# Altium PCB roach2.PcbDoc (part 30 of 39) (continued)
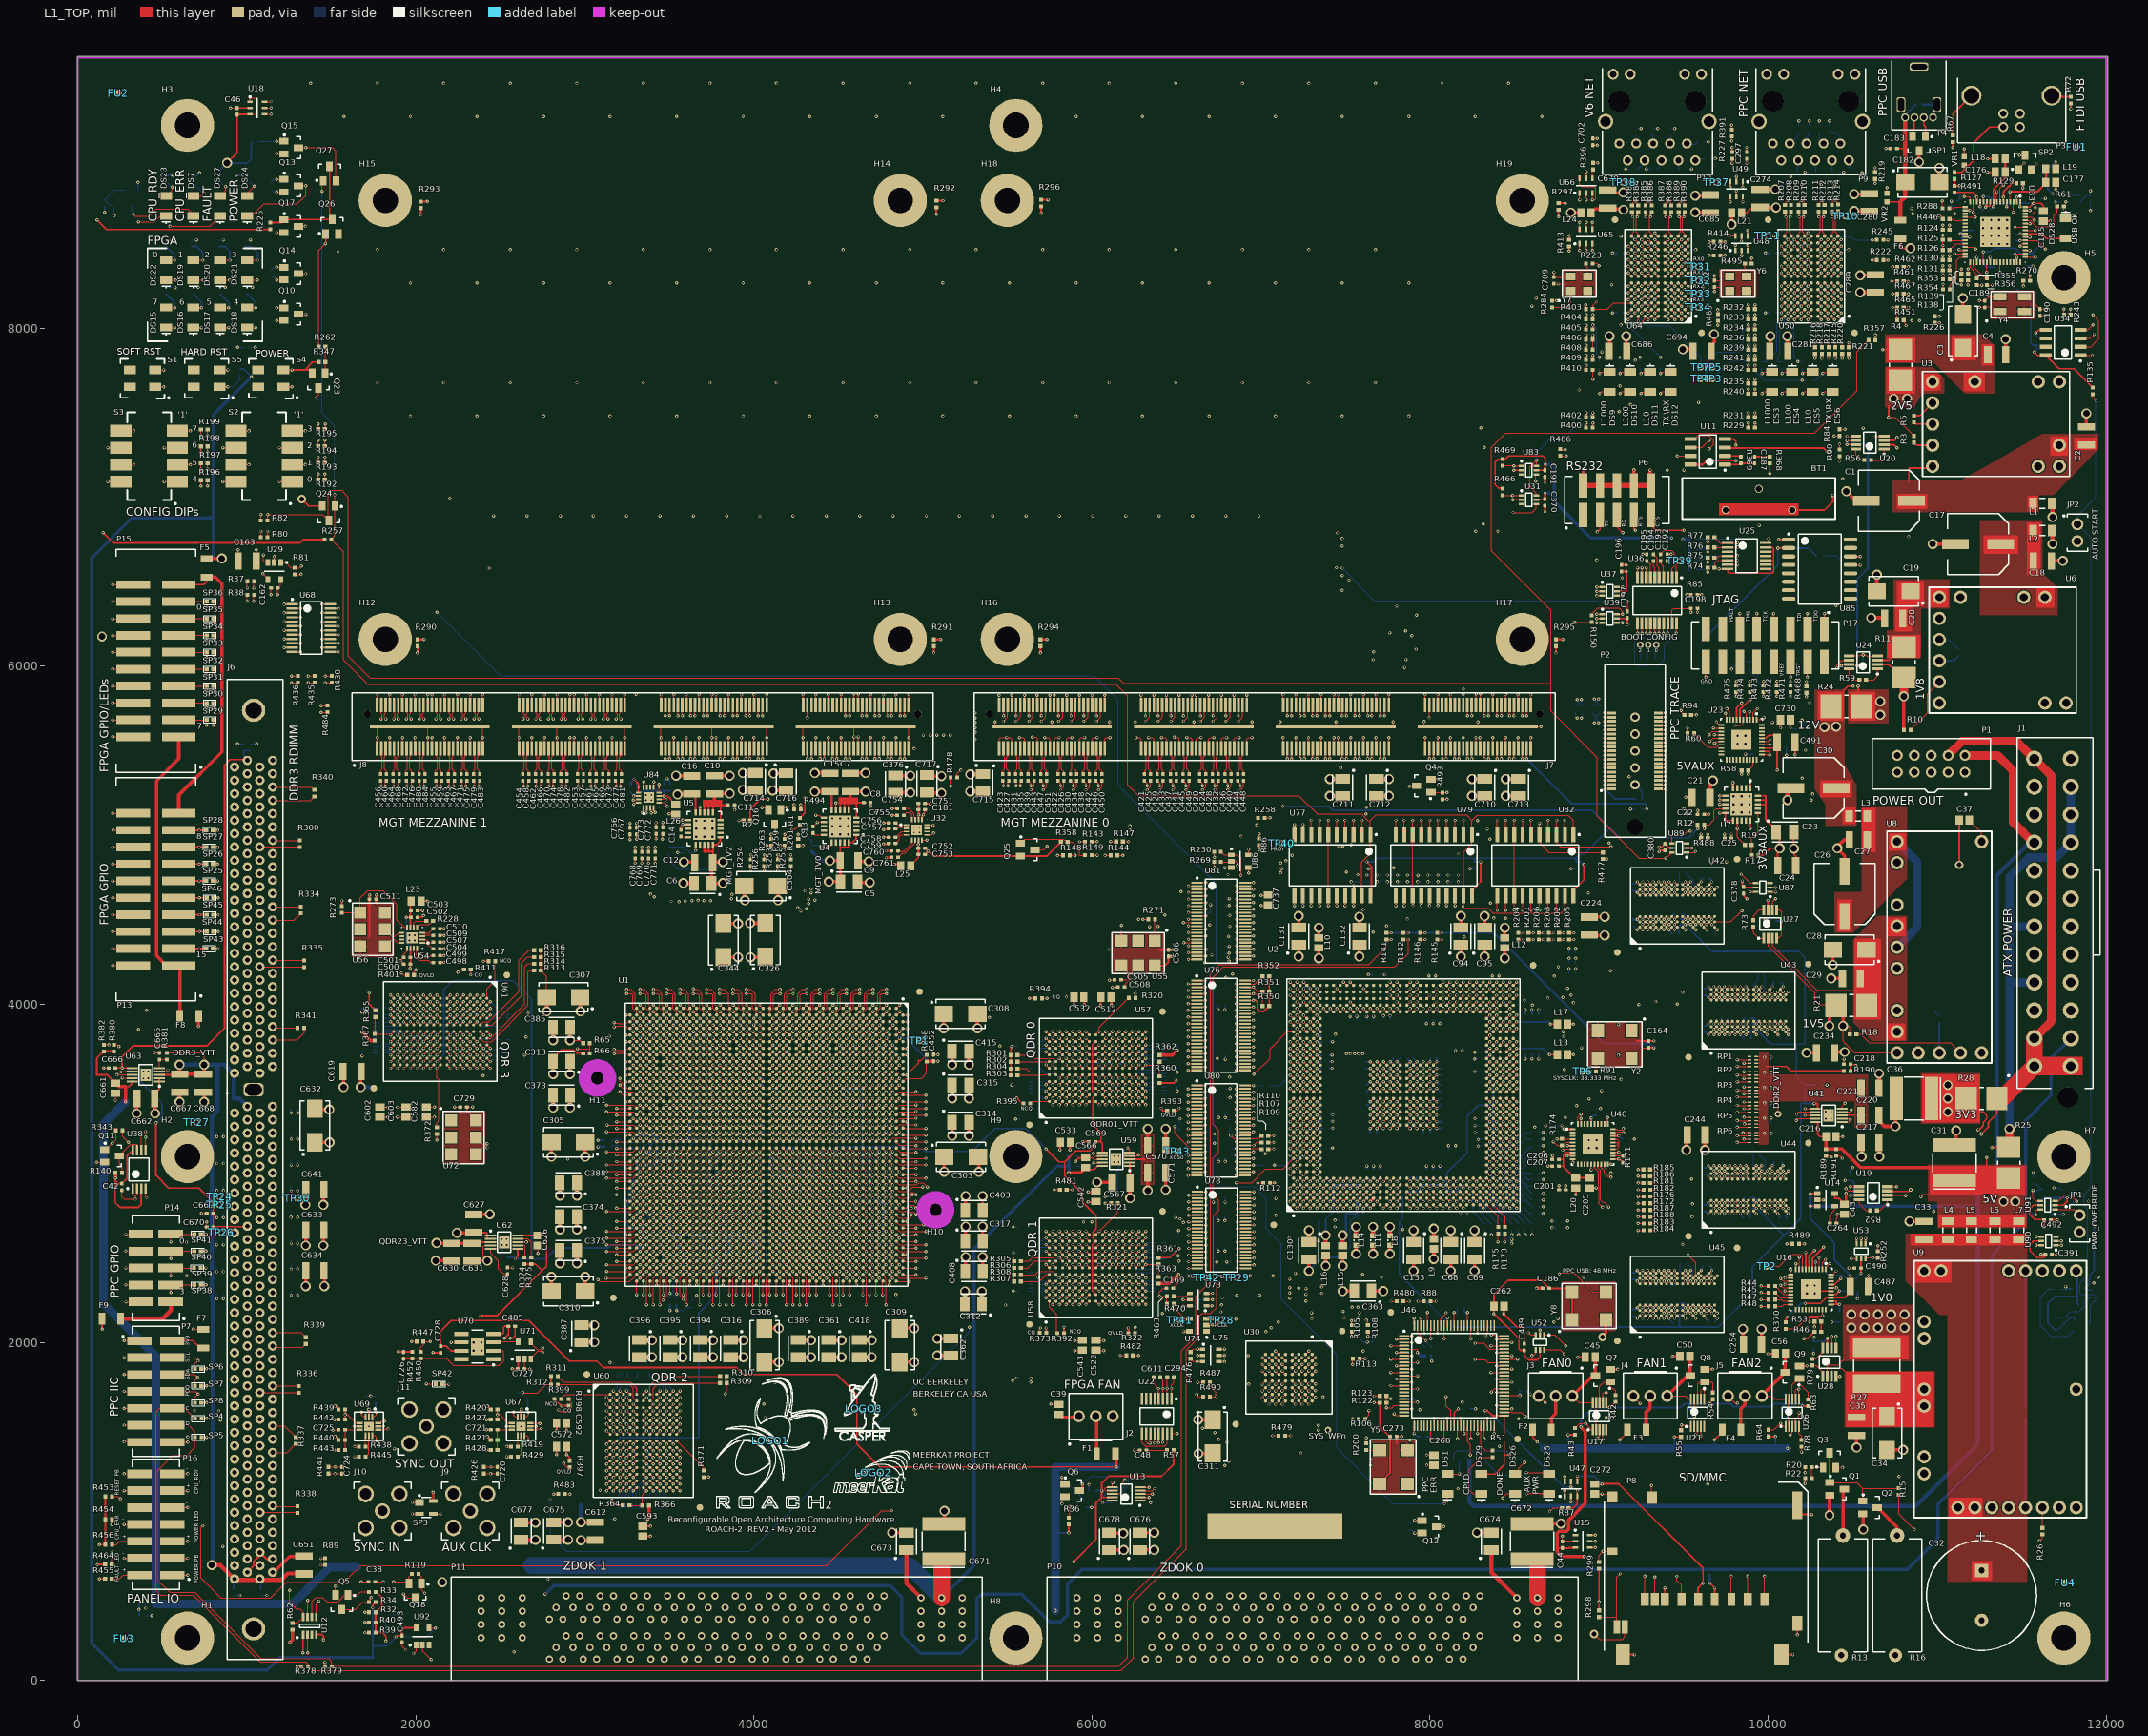
[diagram p0: L1_TOP view]
## Nets (pads, with @x,y where several pads share a name; then routed paths per layer and width w, separated by ;. In a path a pad name is that pad's centre, name@x,y a point inside that pad or via, vN(x,y) a via of type N, cw(c..) or ccw(c..) an arc to the next point about the centre after c; other vN are vias at no path point) (continued)
QDR2.Q23: U1.AV23 U60.K3 | length 2016.8
  L1_TOP w5: v1(3208.66,1318.9) U60.K3@3228.35,1338.58 ; v1(3404.61,3089.01) U1.AV23@3424.3,3108.7
  L8_R w3.8: v1(3208.66,1318.9) 3184.89,1342.67 3184.89,1364.73 3167.58,1382.04 3162.83,1382.04 3145.52,1399.34 3145.52,1404.1 3136.38,1413.24 3114.32,1413.24 3094.99,1432.56 3094.99,1791.69 3277.99,1974.69 3277.99,2139.99 3311.99,2173.99 3311.99,2261.99 3321.99,2271.99 3321.99,2306.99 3389.01,2374.01 3389.01,3073.41 v1(3404.61,3089.01)
QDR2.Q24: U1.AU22 U60.L2 | length 2187.2
  L1_TOP w5: v1(3169.29,1279.53) U60.L2@3188.98,1299.21 ; v1(3443.98,3128.38) U1.AU22@3463.67,3148.07
  L8_R w3.8: v1(3169.29,1279.53) 3161.12,1279.53 3145.52,1295.13 3115.86,1295.13 3038.99,1371.99 3038.99,1821.99 3215.99,1998.99 3215.99,2261.99 3227.53,2273.53 3227.53,2973.37 3319.41,3065.24 3324.16,3065.24 3349.64,3090.72 3349.64,3095.48 3358.78,3104.61 3420.21,3104.61 v1(3443.98,3128.38)
QDR2.Q25: U1.BB24 U60.N3 | length 2173
  L1_TOP w5: v2(3188.08,3069.33) U1.BB24@3266.82,3069.33 ; v1(3208.66,1200.79) U60.N3@3228.35,1220.47
  L8_R w3.8: v2(3188.08,3069.33) 3188.08,3034.08 3166.99,3012.99 3166.99,2007.99 3002.99,1843.99 3002.99,1361.99 3114.32,1250.66 3114.32,1233.69 3127.02,1220.99 3188.45,1220.99 v1(3208.66,1200.79)
QDR2.Q26: U1.BA39 U60.P3 | length 1764.7
  L1_TOP w5: v2(3129.02,2459.09) 3286.5,2459.09 U1.BA39@3306.19,2478.78 ; v1(3208.66,1161.42) U60.P3@3228.35,1181.1
  L8_R w3.8: v2(3129.02,2459.09) 3144.62,2443.49 3144.62,2026.99 2975.99,1858.36 2975.99,1350.99 3080.99,1245.99 3080.99,1177.99 3116.99,1141.99 3189.24,1141.99 v1(3208.66,1161.42)
QDR2.Q27: U1.AU37 U60.B1 | length 1063.3
  L1_TOP w5: v1(3129.92,1673.23) U60.B1@3149.61,1653.54 ; v1(3443.98,2537.83) U1.AU37@3463.67,2557.52
  L8_R w3.8: v1(3129.92,1673.23) 3129.92,1798.92 3315.99,1984.99 3315.99,2122.99 3332.99,2139.99 3332.99,2223.72 3369.33,2260.05 3369.33,2304.08 3459.58,2394.33 3459.58,2504.92 3443.98,2520.52 v1(3443.98,2537.83)
QDR2.Q28: U1.AN21 U60.C2 | length 1888.9
  L1_TOP w5: v1(3169.29,1633.86) U60.C2@3188.98,1614.17 ; v1(3601.46,3207.13) U1.AN21@3621.15,3187.44
  L8_R w3.8: v1(3169.29,1633.86) 3169.29,1651.17 3192.69,1674.57 3192.69,1726.69 3205.99,1739.99 3205.99,1763.99 3312,1870 3416,1870 3442.99,1896.99 3442.99,2146.99 3459.99,2163.99 3459.99,2222.99 3459.58,2223.4 3459.58,2229.34 3446.99,2241.93 3446.99,2301.99 3499.32,2354.32 3499.32,2390.04 3513.03,2403.75 3528.81,2403.75 3538.69,2413.63 3538.69,3144.36 v1(3601.46,3207.13)
QDR2.Q29: U1.AT36 U60.E1 | length 1228.1
  L1_TOP w5: v1(3129.92,1555.12) U60.E1@3149.61,1535.43 ; v1(3483.35,2577.2) U1.AT36@3503.04,2596.89
  L8_R w3.8: v1(3129.92,1555.12) 3129.92,1572.43 3145.52,1588.03 3145.52,1793.52 3334.99,1982.99 3334.99,2108.99 3345.99,2119.99 3345.99,2225.69 3358.78,2238.47 3365.47,2238.47 3413.19,2286.19 3413.19,2303.22 3449.93,2339.96 3449.93,2349.05 3467.75,2366.88 3467.75,2544.3 3483.35,2559.9 v1(3483.35,2577.2)
QDR2.Q30: U1.AV39 U60.F1 | length 1147
  L1_TOP w5: v1(3129.92,1515.75) U60.F1@3149.61,1496.06 ; v1(3404.61,2459.09) U1.AV39@3424.3,2478.78
  L8_R w3.8: v1(3129.92,1515.75) 3110.99,1534.68 3110.99,1793.18 3296.99,1979.18 3296.99,2131.99 3321.99,2156.99 3321.99,2236.48 3329.96,2244.45 3329.96,2288.39 3339.1,2297.53 3347.53,2297.53 3420.99,2370.99 3420.99,2442.71 v1(3404.61,2459.09)
QDR2.Q31: U1.AY39 U60.J2 | length 1350.2
  L1_TOP w5: v1(3169.29,1358.27) U60.J2@3188.98,1377.95 ; v1(3325.87,2459.09) U1.AY39@3345.56,2478.78
  L8_R w3.8: v1(3169.29,1358.27) 3167.72,1358.27 3147.99,1377.99 3111.99,1377.99 3077.99,1411.99 3077.99,1833.99 3255.99,2011.99 3255.99,2144.99 3302.1,2191.1 3302.1,2229.34 3279.99,2251.45 3279.99,2299.99 3341.47,2361.47 3341.47,2426.18 3325.87,2441.78 v1(3325.87,2459.09)
QDR2.Q32: U1.AY24 U60.K1 | length 1930.1
  L1_TOP w5: v1(3129.92,1318.9) U60.K1@3149.61,1338.58 ; v1(3325.87,3049.64) U1.AY24@3345.56,3069.33
  L8_R w3.8: 3056.99,1787.99 3056.99,1785.99 ; v1(3129.92,1318.9) 3056.99,1391.82 3056.99,1785.99 ; v1(3325.87,3049.64) 3310.27,3034.04 3310.27,2353.27 3270.99,2313.99 3270.99,2229.43 3270.9,2229.34 3270.9,2216.32 3270.99,2216.23 3270.99,2185.99 3232.99,2147.99 3232.99,2001.99 3056.99,1825.99 3056.99,1785.99
QDR2.Q33: U1.AW22 U60.L1 | length 2114.8
  L1_TOP w5: v1(3129.92,1279.53) U60.L1@3149.61,1299.21 ; v1(3365.24,3128.38) U1.AW22@3384.93,3148.07
  L8_R w3.8: v1(3129.92,1279.53) 3116.46,1279.53 3023.99,1371.99 3023.99,1822.99 3198.99,1997.99 3198.99,2279.99 3217.99,2298.99 3217.99,2941.99 ; 3217.99,2939.99 3217.99,2941.99 ; v1(3365.24,3128.38) 3347.93,3128.38 3332.33,3112.78 3323.78,3112.78 3305.99,3094.99 3305.99,3069.99 3217.99,2981.99 3217.99,2941.99
QDR2.Q34: U1.AR22 U60.M2 | length 2381.1
  L1_TOP w5: v1(3169.29,1240.16) U60.M2@3188.98,1259.84 ; v1(3522.72,3128.38) U1.AR22@3542.41,3148.07
  L8_R w3.8: v1(3169.29,1240.16) 3147.45,1261.99 3116.99,1261.99 3013.99,1364.99 3013.99,1833.99 3183.99,2003.99 3183.99,2301.99 3203.99,2321.99 3203.99,3033.99 3313.98,3143.98 3489.81,3143.98 3505.41,3128.38 v1(3522.72,3128.38)
QDR2.Q35: U1.BA24 U60.P1 | length 2236.8
  L1_TOP w5: v2(3129.02,3049.64) 3286.5,3049.64 U1.BA24@3306.19,3069.33 ; v1(3129.92,1161.42) U60.P1@3149.61,1181.1
  L8_R w3.8: v2(3129.02,3049.64) 3153.99,3024.68 3153.99,2016.99 2990.99,1853.99 2990.99,1356.99 3100.99,1246.99 3100.99,1190.34 v1(3129.92,1161.42)
QDR2.RDN: RP24.4 U1.AL42 U60.A8 | length 1961
  L1_TOP w5: U60.A8@3425.2,1692.91 v1(3444.88,1712.6) ; v2(3699.89,2281.93) U1.AL42@3699.89,2360.67
  L14_S w3.8: v1(3444.88,1712.6) 3444.88,1757.99 ; 3466.52,1941.52 3461.99,1936.99 ; 3475.57,1950.57 3461.99,1936.99 ; v2(3699.89,2281.93) 3716.99,2264.83 3716.99,2101.99 3613.42,1998.42 3613.42,1998.32 3592.67,1977.56 3502.56,1977.56 3461.99,1936.99 ; 3373.94,1770.79 ccw(c3380.34,1770.79) 3380.34,1764.39 ; 3373.94,1770.79 ccw(c3380.34,1770.79) 3380.34,1764.39 ; 3373.94,1770.79 cw(c3380.34,1770.79) 3380.34,1777.19 ; 3373.94,1770.79 cw(c3380.34,1770.79) 3380.34,1777.19 ; 3373.94,1796.39 ccw(c3380.34,1796.39) 3380.34,1789.99 ; 3373.94,1796.39 cw(c3380.34,1796.39) 3380.34,1802.79 ; 3373.94,1796.39 cw(c3380.34,1796.39) 3380.34,1802.79 ; 3373.94,1796.39 ccw(c3380.34,1796.39) 3380.34,1789.99 ; 3373.94,1821.99 ccw(c3380.34,1821.99) 3380.34,1815.59 ; 3373.94,1821.99 ccw(c3380.34,1821.99) 3380.34,1815.59 ; 3373.94,1821.99 cw(c3380.34,1821.99) 3380.34,1828.39 ; 3373.94,1821.99 cw(c3380.34,1821.99) 3380.34,1828.39 ; 3380.34,1764.39 3438.48,1764.39 ; 3380.34,1777.19 3470.05,1777.19 ; 3380.34,1789.99 3470.05,1789.99 ; 3380.34,1802.79 3470.09,1802.79 ; 3380.34,1815.59 3470.09,1815.59 ; 3380.34,1828.39 3438.48,1828.39 ; 3429.37,1880.59 ccw(c3435.77,1880.59) 3435.77,1874.19 ; 3429.37,1880.59 ccw(c3435.77,1880.59) 3435.77,1874.19 ; 3429.37,1880.59 cw(c3435.77,1880.59) 3435.77,1886.99 ; 3429.37,1880.59 cw(c3435.77,1880.59) 3435.77,1886.99 ; 3435.77,1874.19 3455.59,1874.19 ; 3435.77,1886.99 3492.19,1886.99 ; 3438.48,1764.39 cw(c3438.48,1757.99) 3444.88,1757.99 ; 3438.48,1764.39 cw(c3438.48,1757.99) 3444.88,1757.99 ; 3438.48,1828.39 ccw(c3438.48,1834.79) 3444.88,1834.79 ; 3438.48,1828.39 ccw(c3438.48,1834.79) 3444.88,1834.79 ; 3444.79,1906.19 ccw(c3451.19,1906.19) 3451.19,1899.79 ; 3444.79,1906.19 ccw(c3451.19,1906.19) 3451.19,1899.79 ; 3444.79,1906.19 cw(c3451.19,1906.19) 3451.19,1912.59 ; 3444.79,1906.19 cw(c3451.19,1906.19) 3451.19,1912.59 ; 3444.88,1834.79 3444.88,1837.88 3461.99,1854.99 3461.99,1867.79 ; 3451.19,1899.79 3492.19,1899.79 ; 3451.19,1912.59 3535.59,1912.59 ; 3455.59,1874.19 cw(c3455.59,1867.79) 3461.99,1867.79 ; 3455.59,1874.19 cw(c3455.59,1867.79) 3461.99,1867.79 ; 3461.99,1931.79 ccw(c3468.39,1931.79) 3468.39,1925.39 ; 3461.99,1931.79 ccw(c3468.39,1931.79) 3468.39,1925.39 ; 3461.99,1931.79 3461.99,1936.99 ; 3468.39,1925.39 3535.59,1925.39 ; 3470.05,1777.19 ccw(c3470.05,1783.59) 3476.45,1783.59 ; 3470.05,1777.19 ccw(c3470.05,1783.59) 3476.45,1783.59 ; 3470.05,1789.99 cw(c3470.05,1783.59) 3476.45,1783.59 ; 3470.05,1789.99 cw(c3470.05,1783.59) 3476.45,1783.59 ; 3470.09,1802.79 ccw(c3470.09,1809.19) 3476.49,1809.19 ; 3470.09,1802.79 ccw(c3470.09,1809.19) 3476.49,1809.19 ; 3470.09,1815.59 cw(c3470.09,1809.19) 3476.49,1809.19 ; 3470.09,1815.59 cw(c3470.09,1809.19) 3476.49,1809.19 ; 3492.19,1886.99 ccw(c3492.19,1893.39) 3498.59,1893.39 ; 3492.19,1886.99 ccw(c3492.19,1893.39) 3498.59,1893.39 ; 3492.19,1899.79 cw(c3492.19,1893.39) 3498.59,1893.39 ; 3492.19,1899.79 cw(c3492.19,1893.39) 3498.59,1893.39 ; 3535.59,1912.59 ccw(c3535.59,1918.99) 3541.99,1918.99 ; 3535.59,1912.59 ccw(c3535.59,1918.99) 3541.99,1918.99 ; 3535.59,1925.39 cw(c3535.59,1918.99) 3541.99,1918.99 ; 3535.59,1925.39 cw(c3535.59,1918.99) 3541.99,1918.99
  L16_BOT w5: RP24.4@3443.46,1753.31 3443.46,1714.02 v1(3444.88,1712.6)
QDR2.WRN: RP19.2 U1.AM41 U60.A4 | length 1050.6
  L1_TOP w5: v1(3248.03,1712.6) U60.A4@3267.72,1692.91 ; v1(3640.83,2380.35) U1.AM41@3660.52,2400.04
  L9_R w3.8: v1(3248.03,1712.6) 3319.43,1784 3520,1784 3622,1886 3622,2230 3638.49,2246.49 3638.49,2378.01 v1(3640.83,2380.35)
  L16_BOT w5: RP19.2@3232.83,1753.31 3232.83,1727.8 v1(3248.03,1712.6)
QDR2_TCK: U60.R2 U77.3 | length 10141.2
  L1_TOP w5: v1(3169.29,1122.05) U60.R2@3188.98,1141.73 ; U77.3@7547.99,5004.09 v2(7547.99,5088.42)
  L9_R w3.8: v1(3169.29,1122.05) 3142.37,1095.12 3142.37,472.45 3162.64,452.17 3162.64,329.34 3302.41,189.58 3302.41,183.47 3324.88,160.99 5445.99,160.99 5487.61,119.38 6119.38,119.38 6266.99,266.99 6266.99,554.99 6554.99,842.99 ; 6558.99,846.99 6554.99,842.99 ; v2(7572.99,4766.99) 7538.99,4766.99 7508.99,4736.99 6828.99,4736.99 6794,4702 6794,4651 6791.39,4648.39 6791.39,4199.61 6809,4182 6809,3721.13 6819.67,3710.46 6819.67,3619.67 6785,3585 6785,3433 6810,3408 6810,3266 6791,3247 6791,3128 6810,3109 6810,3034 6799,3023 6799,2847 6813.59,2832.41 6813.59,2425.59 6767.93,2379.93 6767.93,2303.94 6794.79,2277.08 6794.79,2000.18 6719.39,1924.78 6719.39,1672.53 6728.53,1663.39 6741.45,1663.39 6764.99,1639.85 6764.99,1472.19 6735.39,1442.59 6735.39,1420.53 6764.99,1390.93 6764.99,1052.99 6554.99,842.99
  L12_S w3.8: v2(7547.99,5088.42) 7572.99,5063.42 v2(7572.99,4766.99)
QDR2_TDI: R482.2 U60.R11 | length 3083.8
  L1_TOP w5: U60.R11@3543.31,1141.73 v1(3562.99,1122.05) ; v2@6169.34,1922.99 R482.2@6201.34,1922.99
  L8_R w3.8: v1(3562.99,1122.05) 3606.05,1122.05 3672.99,1188.99 3672.99,1226.99 4043.39,1597.39 4043.39,1709.28 4135.1,1800.99 5464.99,1800.99 5586.99,1922.99 v2(6167.34,1922.99)
QDR2_TDO: R483.1 U60.R1 | length 283
  L1_TOP w5: R483.1@2882.68,1102.99 v2(2910.99,1102.99) ; v1(3129.92,1122.05) U60.R1@3149.61,1141.73
  L12_S w3.8: v2(2910.99,1102.99) 3110.87,1102.99 v1(3129.92,1122.05)
QDR2_TMS: U60.R10 U82.14 | length 8282.7
  L1_TOP w5: U60.R10@3503.94,1141.73 v1(3523.62,1122.05) ; v2(8547.99,4557.56) U82.14@8547.99,4641.89
  L8_R w3.8: v1(3523.62,1122.05) 3542.57,1140.99 3574.99,1140.99 3644.99,1210.99 3644.99,1222.99 4022.99,1600.99 4022.99,1732.99 4106.99,1816.99 5432.99,1816.99 5570.99,1954.99 5806.99,1954.99 5818.99,1966.99 6524.99,1966.99 6697.39,2139.39 6697.39,2147.45 6706.53,2156.59 6714.59,2156.59 6736.99,2178.99 6736.99,2278.99 6830.99,2372.99 6830.99,3212.93 6836.59,3218.53 6836.59,4162.53 6846.59,4172.53 6846.59,4194.59 6831.59,4209.59 6831.59,4461.59 6853.08,4483.08 6890.22,4483.08 6926.99,4519.84 6926.99,4722.99 6962.99,4758.99 7084.99,4758.99 7210.99,4632.99 7376.25,4632.99 7441.53,4567.71 7454.45,4567.71 7519.74,4632.99 8472.56,4632.99 v2(8547.99,4557.56)
QDR3.A0: RP22.1 U1.AK19 U61.B4 | length 1993.1
  L1_TOP w5: U61.B4@2381.89,3917.32 v1(2401.58,3937.01) ; v1(3719.57,3285.87) 3738.94,3266.5 U1.AK19@3739.26,3266.18
  L5_S w3.8: v1(2401.58,3937.01) 2423.56,3958.99 2578.99,3958.99 2680.99,3856.99 2955.99,3856.99 3006.99,3805.99 3006.99,3731.99 3083.99,3654.99 3216.99,3654.99 3227.7,3644.28 3262.61,3644.28 3270.9,3635.99 3270.9,3633.74 3280.04,3624.6 3692.39,3624.6 3703.97,3613.01 3703.97,3318.77 3719.57,3303.17 v1(3719.57,3285.87)
  L16_BOT w5: v1(2401.58,3937.01) 2423.59,3914.99 2459.99,3914.99 2468.46,3923.46 RP22.1@2493.31,3923.46
QDR3.A1: RP26.3 U1.AT21 U61.B8 | length 1868.4
  L1_TOP w5: U61.B8@2381.89,3759.84 v1(2401.58,3740.16) ; v1(3483.35,3207.13) 3502.72,3187.76 U1.AT21@3503.04,3187.44
  L5_S w3.8: v1(2401.58,3740.16) 2420.41,3758.99 2480.99,3758.99 2700.99,3538.99 2786.99,3538.99 2799.99,3525.99 2826.99,3525.99 2833.08,3519.91 ; v1(3483.35,3207.13) 3483.35,3224.43 3467.75,3240.03 3467.75,3344.23 3462.98,3349.01 3206.05,3349.01 3194.54,3360.52 3147,3360.52 3135.49,3349.01 3117.98,3349.01 3099.99,3366.99 2985.99,3366.99 2882.86,3470.13 cw(c2885.97,3473.24) 2882.86,3476.35 2883.12,3476.61 ccw(c2880.01,3479.72) 2883.12,3482.83 ccw(c2880.01,3479.72) 2876.9,3482.83 2873.52,3479.46 2848.35,3454.29 cw(c2845.24,3457.4) 2842.13,3454.29 ; 2817.24,3479.18 ccw(c2820.35,3482.29) 2823.46,3479.18 2848.63,3504.35 2852.01,3507.72 cw(c2855.12,3504.61) 2858.23,3507.72 cw(c2855.12,3504.61) 2858.23,3501.5 2854.86,3498.13 2829.68,3472.95 ccw(c2832.79,3469.84) 2829.68,3466.73 ; 2817.24,3479.18 cw(c2820.35,3482.29) 2817.24,3485.4 ; 2817.24,3479.18 cw(c2820.35,3482.29) 2817.24,3485.4 ; 2817.24,3485.4 2842.41,3510.57 2845.79,3513.95 ccw(c2842.67,3517.06) 2845.79,3520.17 ccw(c2842.67,3517.06) 2839.56,3520.17 2839.3,3519.91 ; 2829.68,3466.73 ccw(c2832.79,3469.84) 2835.91,3466.73 ; 2829.68,3466.73 ccw(c2832.79,3469.84) 2835.91,3466.73 ; 2833.08,3519.91 ccw(c2836.19,3523.02) 2839.3,3519.91 ; 2833.08,3519.91 ccw(c2836.19,3523.02) 2839.3,3519.91 ; 2835.91,3466.73 2861.08,3491.91 2864.45,3495.28 cw(c2867.56,3492.17) 2870.68,3495.28 cw(c2867.56,3492.17) 2870.68,3489.06 2867.3,3485.68 2842.13,3460.51 ; 2842.13,3454.29 cw(c2845.24,3457.4) 2842.13,3460.51 ; 2842.13,3454.29 cw(c2845.24,3457.4) 2842.13,3460.51
  L16_BOT w5: v1(2401.58,3740.16) 2423.74,3717.99 2479.99,3717.99 2485.15,3712.83 RP26.3@2493.31,3712.83
QDR3.A2: R283.1 U1.AL19 U61.C5 | length 2013.3
  L1_TOP w5: U61.C5@2342.52,3877.95 v1(2362.21,3897.64) ; v1(3680.2,3285.87) U1.AL19@3699.89,3266.18
  L5_S w3.8: v1(2362.21,3897.64) 2385.98,3921.41 2534.61,3921.41 2538.19,3924.99 2570.19,3924.99 2670.19,3824.99 2847.56,3824.99 2877.56,3794.99 2877.56,3773.32 2997.99,3652.89 2997.99,3522.01 3034,3486 3110,3486 3130.49,3506.49 3657.5,3506.49 3664.6,3499.38 3664.6,3318.77 3680.2,3303.17 v1(3680.2,3285.87)
  L16_BOT w5: v1(2362.21,3897.64) 2386.85,3872.99 R283.1@2493.31,3872.99
QDR3.A3: R281.1 U1.AP20 U61.C7 | length 1842.7
  L1_TOP w5: U61.C7@2342.52,3799.21 v1(2362.21,3779.53) ; v1(3562.09,3246.5) 3581.46,3227.13 U1.AP20@3581.78,3226.81
  L5_S w3.8: v1(2362.21,3779.53) 2385.98,3803.3 2454.3,3803.3 2471.99,3820.99 2536.99,3820.99 2611.99,3745.99 2654.99,3745.99 2720.99,3679.99 2847.99,3679.99 2866.99,3660.99 2866.99,3555.99 2999.99,3422.99 3216.99,3422.99 3233.26,3439.26 3249.72,3439.26 3269.41,3419.58 3568.56,3419.58 3577.69,3410.44 3577.69,3262.1 v1(3562.09,3246.5)
  L16_BOT w5: v1(2362.21,3779.53) 2378.41,3795.73 2490.57,3795.73 R281.1@2493.31,3792.99
QDR3.A4: RP25.2 U1.AM19 U61.N5 | length 2429.5
  L1_TOP w5: v1(1929.13,3897.64) U61.N5@1948.82,3877.95 ; v1(3640.83,3285.87) 3660.2,3266.5 U1.AM19@3660.52,3266.18
  L5_S w3.8: v1(1929.13,3897.64) 1937.78,3888.99 1937.99,3888.99 1977.99,3848.99 2133.99,3848.99 2174.99,3807.99 2174.99,3582.99 2527.09,3230.9 3135.49,3230.9 3135.58,3230.99 3207.99,3230.99 3247.46,3191.53 3647.3,3191.53 3656.43,3200.66 3656.43,3252.96 3640.83,3268.56 v1(3640.83,3285.87)
  L16_BOT w5: RP25.2@1812.68,3872.83 1904.33,3872.83 v1(1929.13,3897.64)
QDR3.A5: RP25.3 U1.AM21 U61.N6 | length 2431.6
  L1_TOP w5: v1(1929.13,3818.9) U61.N6@1948.82,3838.58 ; v1(3640.83,3207.13) U1.AM21@3660.2,3187.76
  L8_R w3.8: v1(1929.13,3818.9) 1948.24,3838 2362,3838 2384,3816 2384,3592 v2(2398,3578)
  L9_R w3.8: v2(2398,3578) 2398,3372 2542,3228 3072,3228 3072.2,3227.8 3094.22,3227.8 3101.87,3220.16 3227.73,3220.16 3256.36,3191.53 3617.06,3191.53 3632.66,3207.13 v1(3640.83,3207.13)
  L16_BOT w5: RP25.3@1812.68,3853.15 1894.88,3853.15 v1(1929.13,3818.9)
QDR3.A6: RP25.4 U1.AP22 U61.N7 | length 2257.1
  L1_TOP w5: v1(1929.13,3779.53) U61.N7@1948.82,3799.21 ; v1(3562.09,3128.38) U1.AP22@3581.78,3148.07
  L5_S w3.8: v1@1929.13,3782.13 v1(1929.13,3779.53) 1947.67,3760.99 2015.99,3760.99 2030.99,3745.99 2030.99,3600.99 2209.99,3421.99 2209.99,3390.25 2225.25,3374.99 2258.99,3374.99 2446.99,3186.99 3039.99,3186.99 3063.49,3163.49 3063.49,3149.99 3072.63,3140.86 3085.56,3140.86 3098.99,3154.29 3098.99,3161.99 3109.99,3172.99 3180.46,3172.99 3181.62,3171.84 3194.54,3171.84 3206.39,3159.99 3530.49,3159.99 v1(3562.09,3128.38)
  L16_BOT w5: RP25.4@1812.68,3833.46 1814.31,3835.1 1896.47,3835.1 1905.96,3825.61 1905.96,3802.7 v1(1929.13,3779.53)
QDR3.A7: RP21.2 U1.BA20 U61.P4 | length 1995.5
  L1_TOP w5: v1(1889.76,3937.01) U61.P4@1909.45,3917.32 ; v2(3129.02,3246.5) 3286.5,3246.5 3305.87,3227.13 U1.BA20@3306.19,3226.81
  L5_S w3.8: v1(1889.76,3937.01) 1912.78,3913.99 2163.99,3913.99 2187.99,3889.99 2187.99,3600.99 2542.49,3246.5 v2(3129.02,3246.5)
  L16_BOT w5: RP21.2@1812.68,3962.83 1832.15,3962.83 1836.99,3957.99 1868.78,3957.99 v1(1889.76,3937.01)
QDR3.A8: RP21.4 U1.AL21 U61.P5 | length 2404.7
  L1_TOP w5: v1(1889.76,3897.64) U61.P5@1909.45,3877.95 ; v1(3680.2,3207.13) 3699.57,3187.76 U1.AL21@3699.89,3187.44
  L5_S w3.8: v1(1889.76,3897.64) 1949.41,3837.99 2128.95,3837.99 2161.99,3804.95 2161.99,3536.99 2197.99,3500.99 ; 2195.99,3502.99 2197.99,3500.99 ; v1(3680.2,3207.13) 3680.2,3204.2 3678.2,3204.2 3652.99,3178.99 3238.99,3178.99 3198.99,3218.99 2479.99,3218.99 2197.99,3500.99
  L16_BOT w5: RP21.4@1812.68,3923.46 1815.33,3920.81 1866.59,3920.81 v1(1889.76,3897.64)
QDR3.A9: RP20.1 U1.BB22 U61.P7 | length 1856.6
  L1_TOP w5: v1(1889.76,3779.53) U61.P7@1909.45,3799.21 ; v2(3188.08,3148.07) U1.BB22@3266.82,3148.07
  L5_S w3.8: v1(1889.76,3779.53) 1889.76,3776.22 1905.99,3759.99 1935.99,3759.99 1948.99,3746.99 1948.99,3619.49 1974.49,3593.99 2006.99,3593.99 2190.99,3409.99 2190.99,3388.99 2231.99,3347.99 2259.29,3347.99 2416.99,3190.29 2428.45,3190.29 2446.75,3171.99 3030.99,3171.99 3055.69,3147.29 3055.69,3146.76 3070.47,3131.99 3093.99,3131.99 3110.07,3148.07 v2(3188.08,3148.07)
  L16_BOT w5: RP20.1@1812.68,3772.52 1820.46,3772.52 1829.66,3763.33 1873.56,3763.33 v1(1889.76,3779.53)
QDR3.A10: RP20.3 U1.BA22 U61.P8 | length 1925.5
  L1_TOP w5: v1(1889.76,3740.16) U61.P8@1909.45,3759.84 ; v2(3129.02,3128.38) 3286.5,3128.38 U1.BA22@3306.19,3148.07
  L5_S w3.8: v1(1889.76,3740.16) 1910.99,3718.93 1910.99,3607.99 2045.99,3472.99 2101.99,3472.99 ; 2100.99,3473.99 2101.99,3472.99 ; v2(3129.02,3128.38) 3124.83,3124.19 3060.79,3124.19 3027.99,3156.99 2457.99,3156.99 2430.99,3129.99 2410.99,3129.99 2382.99,3157.99 2382.99,3194.99 2241.99,3335.99 2207.99,3335.99 2172.99,3370.99 2172.99,3401.99 2101.99,3472.99
  L16_BOT w5: RP20.3@1812.68,3733.15 1828.83,3733.15 1838.03,3723.96 1873.56,3723.96 v1(1889.76,3740.16)
QDR3.A11: RP26.2 U1.AV20 U61.A9 | length 1923.7
  L1_TOP w5: U61.A9@2421.26,3720.47 v1(2440.95,3700.79) ; v1(3404.61,3246.5) 3423.98,3227.13 U1.AV20@3424.3,3226.81
  L5_S w3.8: v1(2440.95,3700.79) 2474.74,3666.99 2474.74,3608.24 2482.21,3600.77 cw(c2479.1,3597.66) 2482.21,3594.55 2460.15,3572.49 ; v1(3404.61,3246.5) 3404.61,3263.8 3389.01,3279.4 3389.01,3303.97 3383.35,3309.64 3206.05,3309.64 3194.54,3321.15 3153.83,3321.15 3147.99,3326.99 2892.99,3326.99 2857.99,3361.99 2857.99,3393.09 2806.09,3444.99 2637.99,3444.99 2530.99,3551.99 ; 2460.15,3566.26 ccw(c2463.26,3569.37) 2466.38,3566.26 ; 2460.15,3566.26 ccw(c2463.26,3569.37) 2466.38,3566.26 ; 2460.15,3566.26 cw(c2463.26,3569.37) 2460.15,3572.49 ; 2460.15,3566.26 cw(c2463.26,3569.37) 2460.15,3572.49 ; 2466.38,3566.26 2491.55,3591.44 2516.72,3616.61 cw(c2519.83,3613.5) 2522.94,3616.61 ; 2485.04,3541.37 cw(c2488.15,3544.48) 2485.04,3547.6 2535.39,3597.94 ; 2485.04,3541.37 ccw(c2488.15,3544.48) 2491.27,3541.37 ; 2485.04,3541.37 ccw(c2488.15,3544.48) 2491.27,3541.37 ; 2491.27,3541.37 2541.61,3591.72 cw(c2544.72,3588.61) 2547.83,3591.72 cw(c2544.72,3588.61) 2547.83,3585.5 2497.49,3535.15 ; 2497.49,3528.93 ccw(c2500.6,3532.04) 2503.71,3528.93 2526.78,3551.99 ; 2497.49,3528.93 cw(c2500.6,3532.04) 2497.49,3535.15 ; 2497.49,3528.93 cw(c2500.6,3532.04) 2497.49,3535.15 ; 2522.94,3610.39 ccw(c2519.83,3613.5) 2522.94,3616.61 ; 2522.94,3610.39 ccw(c2519.83,3613.5) 2522.94,3616.61 ; 2522.94,3610.39 2472.6,3560.04 ccw(c2475.71,3556.93) 2472.6,3553.82 ccw(c2475.71,3556.93) 2478.82,3553.82 2529.17,3604.16 ; 2526.78,3551.99 cw(c2528.88,3549.88) 2530.99,3551.99 ; 2526.78,3551.99 cw(c2528.88,3549.88) 2530.99,3551.99 ; 2529.17,3604.16 cw(c2532.28,3601.05) 2535.39,3604.16 ; 2529.17,3604.16 cw(c2532.28,3601.05) 2535.39,3604.16 ; 2535.39,3597.94 ccw(c2532.28,3601.05) 2535.39,3604.16 ; 2535.39,3597.94 ccw(c2532.28,3601.05) 2535.39,3604.16
  L16_BOT w5: v1(2440.95,3700.79) 2457.2,3700.79 2464.83,3693.15 RP26.2@2493.31,3693.15
QDR3.A12: RP21.1 U1.AY20 U61.R3 | length 2080.4
  L1_TOP w5: v1(1850.39,3976.38) U61.R3@1870.08,3956.69 ; v1(3325.87,3246.5) 3345.24,3227.13 U1.AY20@3345.56,3226.81
  L5_S w3.8: v1(1850.39,3976.38) 1865.99,3960.78 2208.99,3960.78 2222.99,3946.78 2222.99,3593.99 2552.99,3263.99 3162.99,3263.99 3180.49,3246.5 v1(3325.87,3246.5)
  L16_BOT w5: RP21.1@1812.68,3982.52 1838.46,3982.52 1844.61,3976.38 v1(1850.39,3976.38)
QDR3.A13: RP21.3 U1.AW23 U61.R4 | length 2298.2
  L1_TOP w5: v1(1850.39,3937.01) U61.R4@1870.08,3917.32 ; v1(3365.24,3089.01) U1.AW23@3384.93,3108.7
  L5_S w3.8: v1(1850.39,3937.01) 1814.99,3901.61 1814.99,3591.99 2143.99,3262.99 2198.99,3262.99 2310.99,3150.99 2310.99,3124.99 2367.99,3067.99 2473.99,3067.99 2489.99,3083.99 2733.99,3083.99 2774.99,3042.99 3023.99,3042.99 3054.99,3073.99 3170.68,3073.99 3181.62,3084.93 3192.93,3084.93 3217.99,3109.99 3344.26,3109.99 v1(3365.24,3089.01)
  L16_BOT w5: RP21.3@1812.68,3943.15 1819.83,3943.15 1825.99,3936.99 v1(1850.39,3937.01)
QDR3.A14: RP25.1 U1.BB23 U61.R5 | length 2096.4
  L1_TOP w5: v1(1850.39,3897.64) U61.R5@1870.08,3877.95 ; v2(3188.08,3108.7) U1.BB23@3266.82,3108.7
  L5_S w3.8: v1(1850.39,3897.64) 1827.99,3875.24 1827.99,3605.99 2082.99,3350.99 2123.99,3350.99 2193.99,3280.99 2214.99,3280.99 2330.99,3164.99 2330.99,3127.99 2374.99,3083.99 2464.99,3083.99 2487.99,3106.99 2736.99,3106.99 2785.99,3057.99 3019.99,3057.99 3048.99,3086.99 3166.37,3086.99 v2(3188.08,3108.7)
  L16_BOT w5: RP25.1@1812.68,3892.52 1819.52,3892.52 1824.99,3897.99 1850.04,3897.99 v1(1850.39,3897.64)
QDR3.A15: R279.1 U1.BB21 U61.R7 | length 1894.1
  L1_TOP w5: v1(1850.39,3779.53) U61.R7@1870.08,3799.21 ; v2(3188.08,3187.44) U1.BB21@3266.82,3187.44
  L5_S w3.8: v1(1850.39,3779.53) 1865.99,3795.13 2093.86,3795.13 2110.38,3778.6 2110.38,3544.6 2454.99,3199.99 3043.99,3199.99 3065.13,3178.86 3091.86,3178.86 3100.44,3187.44 v2(3188.08,3187.44)
  L16_BOT w5: R279.1@1812.68,3802.99 1826.93,3802.99 v1(1850.39,3779.53)
QDR3.A16: RP20.2 U1.AT22 U61.R8 | length 2136.9
  L1_TOP w5: v1(1850.39,3740.16) U61.R8@1870.08,3759.84 ; v1(3483.35,3128.38) U1.AT22@3503.04,3148.07
  L5_S w3.8: v1(1850.39,3740.16) 1854.83,3740.16 1854.83,3735.16 1874.16,3715.82 1874.16,3615.58 2029.75,3459.99 2082.99,3459.99 2158.99,3383.99 2158.99,3361.99 2201.99,3318.99 2235.99,3318.99 2370.99,3183.99 2370.99,3145.99 2399.99,3116.99 2438.99,3116.99 2464.99,3142.99 3019.99,3142.99 3050.99,3111.99 3140.99,3111.99 3164.99,3135.99 3178.09,3135.99 3181.62,3132.47 3206.47,3132.47 3222.99,3148.99 3462.74,3148.99 v1(3483.35,3128.38)
  L16_BOT w5: RP20.2@1812.68,3752.83 1837.71,3752.83 v1(1850.39,3740.16)
QDR3.A17: RP20.4 U1.AY22 U61.R9 | length 1942.8
  L1_TOP w5: v1(1850.39,3700.79) U61.R9@1870.08,3720.47 ; v1(3325.87,3128.38) U1.AY22@3345.56,3148.07
  L5_S w3.8: v1(1850.39,3700.79) 1851.2,3700.79 1865.99,3685.99 1865.99,3590.99 2084.99,3371.99 2122.99,3371.99 2189.99,3304.99 2226.99,3304.99 2355.99,3175.99 2355.99,3139.99 2391.99,3103.99 2454.99,3103.99 2473.99,3122.99 2768.99,3122.99 2779.77,3133.77 2817.67,3133.77 2826.72,3124.72 2979.26,3124.72 2988.32,3133.77 3017.67,3133.77 3050.45,3100.99 3158.31,3100.99 3181.99,3124.67 3322.16,3124.67 v1(3325.87,3128.38)
  L16_BOT w5: RP20.4@1812.68,3713.46 1837.71,3713.46 v1(1850.39,3700.79)
QDR3.A18: RP22.3 U1.AJ20 U61.A3 | length 2008.9
  L1_TOP w5: U61.A3@2421.26,3956.69 v1(2440.95,3976.38) ; v1(3758.94,3246.5) 3778.31,3227.13 U1.AJ20@3778.63,3226.81
  L5_S w3.8: v1(2440.95,3976.38) 2443.33,3973.99 2593.99,3973.99 2692.99,3874.99 2965.99,3874.99 3022.99,3817.99 3022.99,3740.99 3098.79,3665.19 3196.19,3665.19 3207.99,3676.99 3251.99,3676.99 3273.19,3655.8 3725.26,3655.8 3735.23,3645.82 3735.23,3621.06 3735.17,3621 3735.17,3270.27 v1(3758.94,3246.5)
  L16_BOT w5: v1(2440.95,3976.38) 2454.49,3962.83 RP22.3@2493.31,3962.83
QDR3.A19: RP26.1 U1.AW20 U61.A10 | length 2039
  L1_TOP w5: U61.A10@2421.26,3681.1 v1(2440.95,3661.42) ; v1(3365.24,3246.5) 3384.61,3227.13 U1.AW20@3384.93,3226.81
  L5_S w3.8: v1(2440.95,3661.42) 2418.99,3639.46 2418.99,3439.99 2431.63,3427.35 ; v1(3365.24,3246.5) 3345.99,3265.75 3345.99,3287.81 3332.33,3301.47 3206.06,3301.47 3194.54,3289.95 3181.62,3289.95 3159.57,3311.99 2546.99,3311.99 2500.08,3358.91 ccw(c2496.97,3355.8) 2493.86,3358.91 2484.59,3349.64 cw(c2481.48,3352.76) 2478.37,3349.64 cw(c2481.48,3352.76) 2478.37,3355.87 2490.74,3368.24 2515.92,3393.41 ccw(c2512.81,3396.52) 2515.92,3399.64 ; 2428.59,3399.42 cw(c2431.7,3402.54) 2428.59,3405.65 2440.96,3418.02 2466.14,3443.19 ccw(c2463.03,3446.31) 2466.14,3449.42 ccw(c2463.03,3446.31) 2459.91,3449.42 2437.85,3427.35 ; 2428.59,3399.42 ccw(c2431.7,3402.54) 2434.81,3399.42 ; 2428.59,3399.42 ccw(c2431.7,3402.54) 2434.81,3399.42 ; 2431.63,3427.35 ccw(c2434.74,3430.47) 2437.85,3427.35 ; 2431.63,3427.35 ccw(c2434.74,3430.47) 2437.85,3427.35 ; 2434.81,3399.42 2447.19,3411.8 2472.36,3436.97 ; 2441.03,3386.98 ccw(c2444.15,3390.09) 2447.26,3386.98 2459.63,3399.35 2484.8,3424.53 cw(c2487.92,3421.41) 2491.03,3424.53 cw(c2487.92,3421.41) 2491.03,3418.3 2465.85,3393.13 2453.48,3380.76 ccw(c2456.59,3377.65) 2453.48,3374.53 ccw(c2456.59,3377.65) 2459.7,3374.53 2497.25,3412.08 ; 2441.03,3386.98 cw(c2444.15,3390.09) 2441.03,3393.2 ; 2441.03,3386.98 cw(c2444.15,3390.09) 2441.03,3393.2 ; 2441.03,3393.2 2453.41,3405.58 2478.58,3430.75 ; 2465.92,3362.09 cw(c2469.04,3365.2) 2465.92,3368.31 ; 2465.92,3362.09 cw(c2469.04,3365.2) 2465.92,3368.31 ; 2465.92,3362.09 ccw(c2469.04,3365.2) 2472.15,3362.09 ; 2465.92,3362.09 ccw(c2469.04,3365.2) 2472.15,3362.09 ; 2465.92,3368.31 2478.3,3380.69 2503.47,3405.86 ; 2472.15,3362.09 2484.52,3374.46 2509.69,3399.64 ; 2472.36,3436.97 cw(c2475.47,3433.86) 2478.58,3436.97 ; 2472.36,3436.97 cw(c2475.47,3433.86) 2478.58,3436.97 ; 2478.58,3430.75 ccw(c2475.47,3433.86) 2478.58,3436.97 ; 2478.58,3430.75 ccw(c2475.47,3433.86) 2478.58,3436.97 ; 2497.25,3412.08 cw(c2500.36,3408.97) 2503.47,3412.08 ; 2497.25,3412.08 cw(c2500.36,3408.97) 2503.47,3412.08 ; 2503.47,3405.86 ccw(c2500.36,3408.97) 2503.47,3412.08 ; 2503.47,3405.86 ccw(c2500.36,3408.97) 2503.47,3412.08 ; 2509.69,3399.64 cw(c2512.81,3396.52) 2515.92,3399.64 ; 2509.69,3399.64 cw(c2512.81,3396.52) 2515.92,3399.64
  L16_BOT w5: v1(2440.95,3661.42) 2452.99,3673.46 RP26.1@2493.31,3673.46
QDR3.A20: RP22.4 U1.AJ18 U61.A2 | length 1964.9
  L1_TOP w5: U61.A2@2421.26,3996.06 v1(2440.95,4015.75) ; v1(3758.94,3325.24) 3778.31,3305.87 U1.AJ18@3778.63,3305.55
  L5_S w3.8: v1(2440.95,4015.75) 2477.24,4015.75 2506.99,3985.99 2597.99,3985.99 2694.99,3888.99 2975.99,3888.99 3034.99,3829.99 3034.99,3750.99 3112.99,3672.99 3192.52,3672.99 3205.52,3685.99 3256.99,3685.99 3279.02,3663.97 3731.03,3663.97 3743.34,3651.66 3743.34,3358.14 3758.94,3342.54 v1(3758.94,3325.24)
  L16_BOT w5: v1(2440.95,4015.75) 2474.17,3982.52 RP22.4@2493.31,3982.52
QDR3.BWN0: R313.1 U61.B7 | length 614.9
  L1_TOP w5: U61.B7@2381.57,3799.21 2400.79,3780 2450,3780 2665,3995 2665,4190 2675,4200 R313.1@2700.32,4200
QDR3.BWN1: R314.1 U61.A7 | length 590.8
  L1_TOP w5: U61.A7@2420.95,3799.21 2444.21,3799.21 2645,4000 2645,4220 2665,4240 R314.1@2700.32,4240
QDR3.BWN2: R315.1 U61.A5 | length 560.1
  L1_TOP w5: U61.A5@2420.95,3877.95 2452.95,3877.95 2625,4050 2625,4245 2660,4280 R315.1@2700.32,4280
QDR3.BWN3: R316.1 U61.B5 | length 609.9
  L1_TOP w5: U61.B5@2381.89,3877.95 2401.58,3897.64 2432.64,3897.64 2610,4075 2610,4260 2670,4320 R316.1@2700.32,4320